# KiCad board PC110.kicad_pcb (continued)
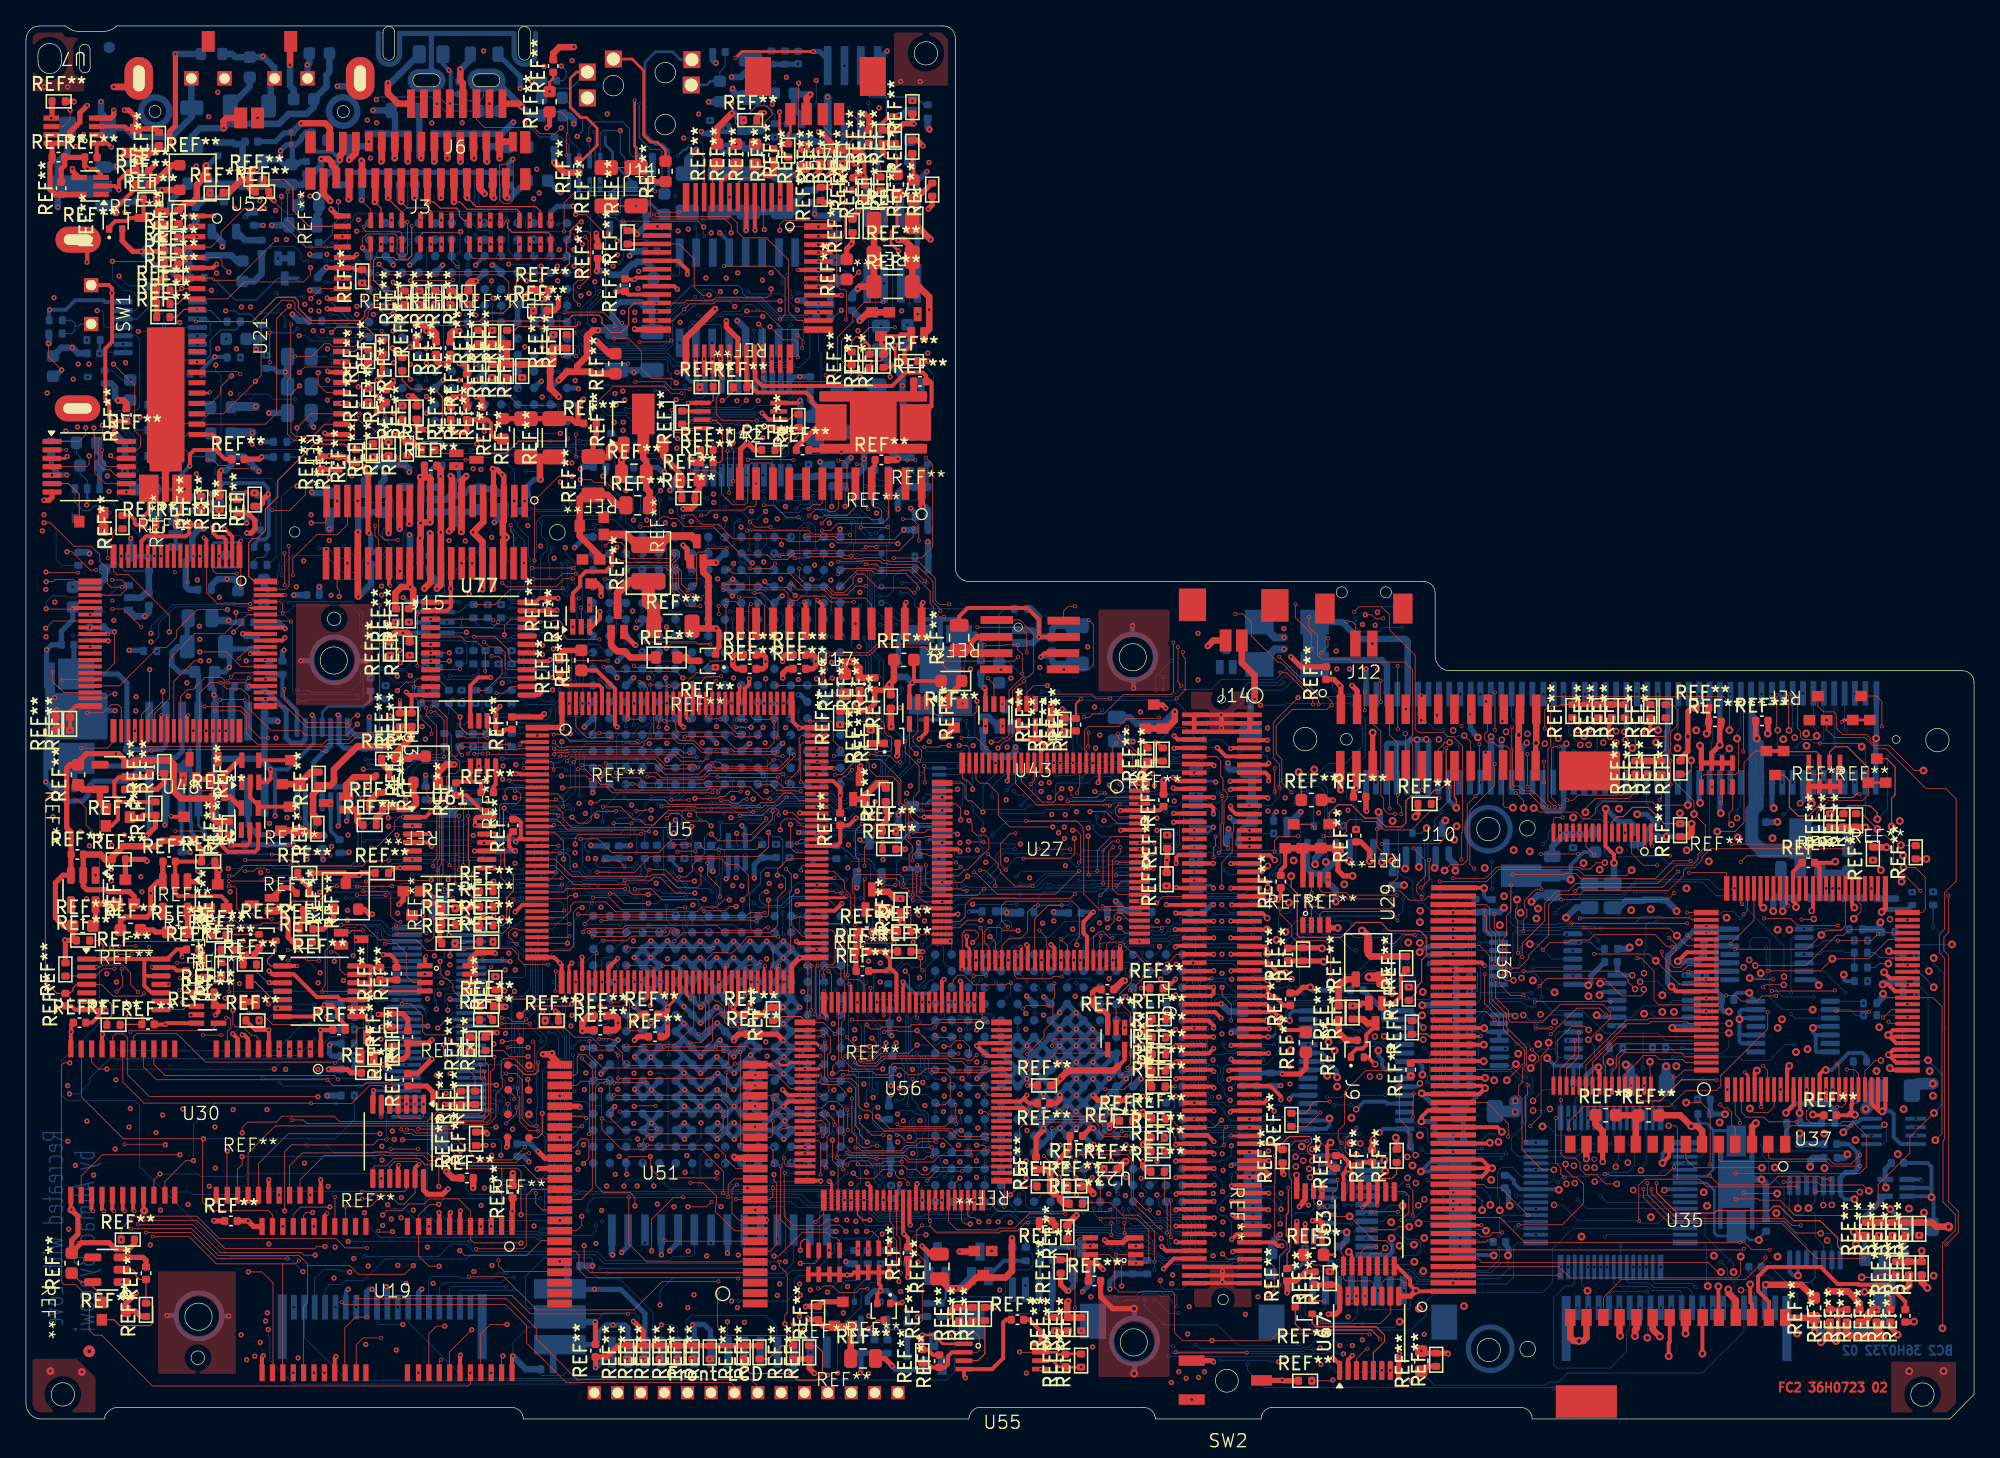
[diagram p0: board, top side]
## Routing (per net, layer and track width the routed paths; a pad name or vN(x,y) marks a point on that pad's centre or on a via; arc(x,y) is an arc through that point) (continued)
  IC2 w0.05: U50.3 47.37,3.53 46.23,4.67 39.37,4.67 37.87,3.17 21.32,3.17 19.08,5.41 16.89,5.41 15.19,7.11 15.19,15.61 13.5,17.3 12.61,17.3 9.59,20.32 9.59,36.28 v6(9.48,36.39)
M38_SEG3: length 103.4
  FC2 w0.05: v1(13.39,59.11) 15.44,59.11 16.56,57.99 U48.67
  IC4 w0.05: 8.18,46.74 8.18,39.1 10.72,36.56 10.72,33.05 11.27,32.5 11.27,23.17 11.1,23 11.1,15.77 11.28,15.59 11.28,5.06 12.89,3.45 48.79,3.45 49.17,3.07 U50.4 ; 8.18,46.74 8.18,46.55 ; 8.18,46.74 11.24,49.8 11.24,57.54 12.81,59.11 v1(13.39,59.11)
M38_SEG4: length 94
  FC2 w0.05: U48.66 16.08,57.49 v2(15.78,57.19) ; v2(14.6,38.3) 15.75,38.3 v2(15.76,38.29)
  FC1 w0.05: v1(17.63,4.84) 17.63,26.05 14.54,29.14 14.54,29.93 13.58,30.89 13.58,34.13 14.39,34.94 14.39,37.15 14.6,37.36 v2(14.6,38.3) ; v2(15.76,38.29) 15.76,38.97 16.21,39.42 16.21,56.76 v2(15.78,57.19)
  IC3 w0.05: U50.5 50.07,2.92 42.77,2.92 42.41,2.56 19.19,2.56 17.63,4.12 v1(17.63,4.84)
  IC4 w0.05: U50.5 50.96,2.02
M38_SEG5: length 84.9
  FC1 w0.05: v2(18.44,56.99) 18.91,56.52 18.91,53.42 19.26,53.07 v1(19.26,52.48)
  IC2 w0.05: v1(19.26,52.48) 20.06,52.48 21.63,50.91 21.63,43.88 21.99,43.52 23.47,43.52 24.36,42.63 24.36,37.78 23.42,36.84 23.42,33.16 23.98,32.6 23.98,14.65 24.41,14.22 24.41,9.33 28.02,5.72 51.19,5.72 52.77,4.14 U50.6
M38_SEG6: length 89.3
  FC2 w0.05: v2(24.32,8.99) 24.5,8.81 36.95,8.81 38.55,7.21 38.55,5.86 41.6,2.81 54.3,2.81 54.57,2.54 U50.7
  FC2 w0.3: v2(17.16,56.44) 17.21,56.49 U48.64
  FC1 w0.05: v2(17.16,56.44) 17.16,50.97 17.32,50.81 17.32,41.67 18.39,40.6 18.39,35.6 19.71,34.28 19.71,30.87 19.14,30.3 19.14,28.18 19.59,27.73 23.98,27.73 24.11,27.6 24.11,26.72 23.76,26.37 23.76,25.71 24.32,25.15 v2(24.32,8.99)
M38_SEG07: length 37.2
  FC2 w0.05: v1(16.18,62.15) 16.18,61.4 15.3,60.52 12.99,60.52 11.65,59.18 11.65,59.14 11.04,58.53 11.04,55.49 9.89,54.34 U48.47
  BC1 w0.05: v11(25.54,55.8) 25.54,59.11 v11(25.92,59.49)
  BC2 w0.05: v11(25.54,55.8) 20.83,55.8 20.55,56.08 20.55,61.3 19.93,61.92 17.3,61.92 17.07,62.15 v1(16.18,62.15) ; v11(25.92,59.49) 27.82,59.49 28.49,58.82 29.71,58.82 29.85,58.97 30.75,58.97 REF**#461.2
M38_SEG7: length 87.8
  FC2 w0.05: U50.8 56.37,2.5 55.85,3.02 42.47,3.02 39.3,6.19 39.3,6.97 37.01,9.26 25.63,9.26 25.51,9.38 v2(25.47,9.38)
  FC1 w0.05: v2(25.47,9.38) 25.47,11.53 24.89,12.11 24.89,13.03 25.33,13.47 25.33,13.98 24.95,14.36 24.95,16.87 24.81,17.01 24.81,25.34 24.51,25.64 24.51,27.62 24.15,27.98 20.31,27.98 20,28.29 20,28.69 20.6,29.29 20.6,38.77 19.53,39.84 19.53,45.19 19.72,45.38 19.72,46.59 17.99,48.32 17.99,55.54 v2(18.44,55.99)
M38_SEG8: length 92.4
  FC1 w0.05: v2(18.44,55.49) 18.44,54.91 18.32,54.79 18.32,49.63 19.62,48.33 19.62,47.34 20.11,46.85 v1(20.11,46.34)
  IC2 w0.05: v1(20.11,46.34) 20.2,46.25 20.2,43.8 23.14,40.86 23.14,38.92 20.96,36.74 v1(20.96,4.7)
  IC3 w0.05: v1(20.96,4.7) 22.95,2.71 42.09,2.71 42.1,2.72 42.15,2.72 42.54,3.11 57.08,3.11 U50.9
M38_SEG9: length 90.7
  FC2 w0.05: v1(25.55,54.23) 25.37,54.23 25.04,53.9 25.04,53.52 24.83,53.31 21.59,53.31 19.96,54.94 U48.61
  IC2 w0.05: v1(25.55,54.23) 27,52.78 27,39.94 26.25,39.19 26.25,33.52 24.71,31.98 24.71,15.87 28.06,12.52 37.82,12.52 44.32,6.02 58.36,6.02 59.97,4.41 U50.10
M38_VL1: length 18.8
  FC2 w0.08: U48.80 17.57,64.54 17.16,64.95 17.16,67.53 17.49,67.86 17.84,67.86 18.44,68.46 18.44,70.1 19.39,71.05 19.39,72.32 22.19,75.12 24.51,75.12 24.93,74.7 REF**#368.2 25.83,74.7 26.3,75.17 REF**#162.2
M38_VL2: length 20.3
  FC2 w0.05: v2(20.24,67.28) 20.26,67.26 20.26,64.2 20,63.94 U48.79 ; v2(26.72,74.15) 27.29,74.15 27.4,74.26 REF**#257.1
  FC1 w0.05: v2(20.24,67.28) 21.2,67.28 21.62,67.7 21.62,68.76 21.44,68.94 21.44,69.07 20.08,70.43 20.08,72.07 21.63,73.62 24.62,73.62 25.15,74.15 v2(26.72,74.15)
M38_VL3: length 21.7
  FC2 w0.05: v2(19.93,64.25) 19.93,66.69 v2(19.91,66.71)
  FC2 w0.3: v2(19.92,63.51) 19.9,63.49 U48.78
  FC1 w0.05: v2(29.34,74.26) 29.34,74.51 28.57,75.28 v2(27.93,75.28) 26.92,75.28 26.82,75.18 22.81,75.18 19.72,72.09 19.72,67.24 19.91,67.05 v2(19.91,66.71) ; v2(19.92,63.51) 19.93,63.52 v2(19.93,64.25)
M38_VREF: length 37.3
  FC2 w0.3: U48.72 17.3,60.49 17.27,60.52 v1(16.69,60.52)
  FC2 w0.4: v1(17.01,68.27) 17.33,68.27 17.64,68.58 17.64,69.25 17.07,69.82 REF**#50.1
  FC2 w0.5: v1(31.12,68.25) 31.16,68.21 J15.30 31.16,64.48 30.69,64.01 v1(30.69,63.99)
  IC1 w0.7: v1(17.01,68.27) 17.01,67.56 17.13,67.44 17.11,67.42 17.11,65.75 17.84,65.02 30.27,65.02 30.69,64.6 v1(30.69,63.99)
  IC4 w0.5: v1(17.01,68.27) 17.01,60.84 v1(16.69,60.52)
  BC2 w0.4: v1(16.69,60.52) 16.91,60.3 REF**#644.2
  BC2 w0.5: v1(31.12,68.25) 31.12,66.56 REF**#724.1
M38_Xin: length 21.9
  FC2 w0.05: v2(5.39,65.42) 4.95,65.42 3.54,66.83 v1(3.16,66.83)
  FC2 w0.3: v2(12.2,71.67) 12.06,71.67 REF**#69.1 12.01,69.98 11.61,69.58 REF**#294.1
  FC1 w0.05: v1(3.16,66.83) 3.15,66.84 3.15,66.87 ; v2(5.39,65.42) 5.39,61.13 5.25,60.99 v2(4.94,60.99)
  FC1 w0.3: v2(12.2,71.67) 10.17,71.67 8.96,70.46 6.84,70.46 3.25,66.87 3.15,66.87
M38_Xout: length 10.2
  FC2 w0.05: v2(6.3,66.33) 6.3,67.52 6.69,67.91 6.69,68.28 7.01,68.6 REF**#357.1
  FC2 w0.3: v2(6.31,60.47) 6.29,60.49 U48.29
  FC1 w0.05: v2(6.31,60.47) 6.3,60.48 v2(6.3,66.33)
M38_Xout_Res: length 5
  FC2 w0.3: REF**#69.2 9.46,69.95 9.03,69.52 REF**#107.1 8.47,68.91 8.38,69 8.38,69.3 8.06,69.62 REF**#357.2
MEMCS16#: length 72.8
  FC2 w0.05: 53.86,55.15 53.86,53.72 54.75,52.83 v2(55.32,52.83)
  FC1 w0.05: v2(55.32,52.83) 55.32,52.41 55.28,52.37 55.28,49.1 55.58,48.8 v1(55.58,48.25)
  BC1 w0.05: v11(61.87,46.38) 61.93,46.32 61.93,45.38 61.83,45.28 61.83,44.72 61.93,44.62 61.93,42.2 62.04,42.09 62.04,34.99 62.13,34.9 62.13,32.74 62.42,32.45 64.87,32.45 65.42,31.9 65.42,31.13 v11(64.74,30.45) ; v11(65.11,19.47) 65.11,20.1 65.43,20.42 65.43,22.32 66.08,22.97 66.08,24.3 66.01,24.37 66.01,25.89 65.03,26.87 v11(65.03,28.07) ; v11(65.76,17.93) 65.76,18.22 65.61,18.37 65.61,18.73 65.71,18.83 65.71,19.5 65.99,19.78 65.99,21.96 66.18,22.15 67.01,22.15 67.9,21.26 68.58,21.26 68.82,21.5 72.21,21.5 v11(72.63,21.08) ; v11(56.07,44.83) 56.06,44.83 55.82,45.07 55.82,46.77 55.58,47.01 v1(55.58,48.25) 55.58,50.27 55.25,50.6 55.25,52.12 v11(55.72,52.59)
  BC2 w0.05: v11(65.03,28.07) 64.59,28.51 64.59,30.3 v11(64.74,30.45) ; REF**#855.2 56.71,44.69 56.57,44.83 v11(56.07,44.83) 56.07,44.92 56.92,45.77 57.46,45.77 57.66,45.97 57.66,46.48 58.42,47.24 61.01,47.24 v11(61.87,46.38) ; v11(65.76,17.93) 65.35,18.34 65.35,19.23 v11(65.11,19.47) ; v11(72.63,21.08) 72.63,20.63 72.57,20.57 ; 53.83,52.72 54.25,52.72 54.89,53.36 55.26,53.36 55.72,52.9 v11(55.72,52.59)
MEMR#: length 203.1
  FC2 w0.05: v2(57.54,19.6) 57.54,20.7 57.34,20.9 U51.16
  FC1 w0.05: v1(58.5,12.12) 58.5,13.06 56.81,14.75 56.81,18.87 v2(57.54,19.6)
  IC4 w0.05: v1(82.33,48.35) 82.39,48.29 82.39,42.94 80.04,40.59 80.04,32.14 79.98,32.08 77.05,32.08 76.53,31.56 76.53,31.04 76.9,30.67 79.69,30.67 81.47,28.89 81.47,17.03 83.3,15.2 84.75,15.2 86.98,12.97 86.98,10.57 85.35,8.94 85.35,8.93 85.14,8.93 85.12,8.91 84.22,8.91 82.41,7.1 74.16,7.1 72.48,5.42 64.21,5.42 60.55,9.08 59.43,9.08 58.96,9.55 58.96,11.66 v1(58.5,12.12)
  BC1 w0.05: v11(37.9,41.27) 37.86,41.23 v11(37.86,39.88) ; v11(44.2,11.59) 44.2,12.12 43.64,12.68 37.81,12.68 37.05,13.44 37.05,16.49 37.88,17.32 v11(40.27,17.32)
  BC2 w0.05: U6.24 89.1,48.65 88.6,48.15 86.33,48.15 86.17,47.99 83.4,47.99 83.04,48.35 v1(82.33,48.35) ; 75.11,18.03 74.5,17.42 74.5,16.44 74.22,16.16 73.12,16.16 72.41,15.45 65.75,15.45 65.19,16.01 65.07,16.01 64.48,16.6 62.41,16.6 62.09,16.28 59.37,16.28 58.88,16.77 56.37,16.77 56.02,16.42 56.02,12.46 56.36,12.12 56.86,12.12 ; 56.86,12.12 v1(58.5,12.12) ; 56.86,12.12 56.84,12.12 56.84,11.72 56.71,11.59 v11(44.2,11.59) ; v11(37.86,39.88) 41.16,39.88 41.38,39.66 41.38,38.6 40.55,37.77 39.9,37.77 39.44,37.31 39.44,30.03 40.07,29.4 40.07,28.93 39.35,28.21 39.35,24.88 39.41,24.82 39.41,24.07 39.33,23.99 39.33,22.74 40.34,21.73 40.34,17.39 v11(40.27,17.32)
  BC2 w0.08: v11(37.9,41.27) 40.09,41.27 40.86,42.04 40.86,43.31 41.17,43.62 41.61,43.62 41.9,43.33 41.9,42.38 42.12,42.16 42.6,42.16 43.11,41.65 47.04,41.65 47.16,41.53 47.55,41.53 47.85,41.83 47.85,42.3 47.66,42.49 REF**#767.1
MEMR#_res: length 10.9
  BC1 w0.05: v11(50.66,52.36) 50.22,51.92 50.22,46.97 50.16,46.91 v11(50.16,46.67)
  BC2 w0.05: 50.02,52.72 50.49,52.72 50.66,52.55 v11(50.66,52.36)
  BC2 w0.08: REF**#767.2 47.66,45.14 49.19,46.67 v11(50.16,46.67)
MEMW#: length 96.7
  FC2 w0.05: v1(73.25,55.31) 73.25,54.53 72.96,54.24 70.13,54.24 69.89,54.48 69.89,55.02 69.65,55.26 REF**#185.1 ; v2(82.96,23.29) 80.58,23.29 80.21,23.66 v2(80.21,24.08) ; v2(76.21,45.13) 75.85,45.13 75.08,44.36 75.08,42.72 v2(75.5,42.3)
  FC1 w0.05: v2(76.21,45.13) 76.21,49.81 75.2,50.82 73.66,50.82 73.65,50.81 73.65,52.19 74.25,52.79 74.25,54.31 v1(73.25,55.31) ; v2(75.5,42.3) 75.5,39.6 75.09,39.19 75.09,34.93 74.87,34.71 74.87,33.17 75.68,32.36 76.61,32.36 77.7,31.27 77.7,30.72 78.02,30.4 78.62,30.4 80.09,28.93 80.09,24.51 80.21,24.39 v2(80.21,24.08) ; v1(83.59,19.92) 82.91,20.6 82.91,23.24 v2(82.96,23.29)
  BC1 w0.05: v11(76.61,20.5) 83.04,20.5 83.59,19.95 v1(83.59,19.92) ; v11(59.33,43.79) 59.33,43.15 58.78,42.6 53.88,42.6 53.64,42.84 52.52,42.84 51.85,43.51 50.3,43.51 49.5,42.71 v11(48.62,42.71) ; v11(65.63,45.69) 67.44,45.69 67.76,46.01 67.76,46.73 67.53,46.96 66.94,46.96 66.67,47.23 v11(66.67,47.59)
  BC2 w0.05: 76.38,20.57 76.45,20.5 v11(76.61,20.5) 76.42,20.5 76.38,20.54 ; REF**#769.1 48.62,43.17 v11(48.62,42.71) ; v1(73.25,55.31) 73.25,54.94 73.09,54.78 73.09,52.67 72.46,52.04 72.46,51.85 72.02,51.41 69.49,51.41 69.09,51.81 68.29,51.81 68.06,51.58 68.06,50.43 66.67,49.04 v11(66.67,47.59) ; v11(59.33,43.79) 61.55,43.79 61.82,44.06 61.82,45.09 62.08,45.35 64.3,45.35 64.44,45.49 65.43,45.49 v11(65.63,45.69)
OKI-SA8: length 32.4
  FC2 w0.05: v2(53.73,28.34) 53.69,28.38 v2(47.54,28.38)
  FC1 w0.05: v2(55.38,32.61) 55.1,32.33 54.19,32.33 53.93,32.07 53.93,28.54 v2(53.73,28.34) ; v2(41.12,12.15) 42.43,13.46 42.43,13.61 43.67,14.85 46.8,14.85 47.54,15.59 v2(47.54,28.38)
OKI_CE#: length 48.9
  FC2 w0.05: U51.14 54.68,19.3 53.89,20.09 53.89,20.29 53.08,21.1 v2(47.86,21.1) ; 42.36,55.15 42.36,53.35 43.19,52.52 v2(45.12,52.52) ; v2(47.81,25.92) 47.8,25.91 v2(45.31,25.91)
  FC1 w0.05: v2(45.12,52.52) 45.12,46.69 45.62,46.19 45.62,36.01 46.04,35.59 46.04,35.29 45.76,35.01 45.76,32.48 45.36,32.08 45.36,31.29 45.18,31.11 45.18,28.54 45.31,28.41 v2(45.31,25.91) ; v2(47.81,25.92) 47.81,25.66 47.72,25.57 47.72,21.49 47.86,21.35 v2(47.86,21.1)
OKI_SA12: length 44.9
  FC2 w0.05: v2(36.7,35.41) 36.69,35.4 v2(35.18,35.4) ; v2(37.23,49.19) 37.26,49.22 39.39,49.22
  FC1 w0.05: v2(37.23,49.19) 37.22,49.19 36.39,48.36 36.39,47.72 36.65,47.46 37.05,47.46 38.41,46.1 38.41,42.54 37.62,41.75 37.46,41.75 36.71,41 36.71,39.56 37.2,39.07 37.2,38.21 36.7,37.71 v2(36.7,35.41) ; v2(41.12,15.3) 41.12,15.76 40.6,16.28 38.75,16.28 37.94,17.09 37.94,22.54 37.68,22.8 37.47,22.8 36.94,23.33 36.1,23.33 34.7,24.73 34.7,27.65 34.98,27.93 34.98,30.99 35.31,31.32 35.31,34.69 35.18,34.82 v2(35.18,35.4)
OKI_SA13: length 40.1
  FC2 w0.05: U51.39 39.77,16.1 39.27,16.6 v2(39.27,17.39) ; v2(38.36,50.17) U5.7
  FC1 w0.05: v2(38.36,50.17) 38.36,50.12 38.79,49.69 38.79,38.71 38.37,38.29 38.37,32.73 37.82,32.18 37.82,25.98 37.56,25.72 36.98,25.72 36.29,25.03 36.29,23.66 36.44,23.51 37.16,23.51 37.68,22.99 37.8,22.99 38.16,22.63 38.16,18.18 38.95,17.39 v2(39.27,17.39)
OKI_SA14: length 40.4
  FC2 w0.05: U51.38 42.77,16.9 43.62,17.75 43.62,26.99 v2(42.83,27.78) ; v2(40.65,50.03) 40.65,50.47 40.45,50.67 U5.6
  FC1 w0.05: 39.71,32.34 39.71,37.31 40.38,37.98 40.38,49.76 v2(40.65,50.03) ; 39.71,32.34 39.71,31.89 39.37,31.55 39.37,31.13 39.52,30.98 39.52,30.16 39.57,30.11 39.57,28.97 39.84,28.7 41.91,28.7 v2(42.83,27.78) ; 39.71,32.34 39.71,32.32
OKI_SA15: length 55
  FC2 w0.05: v2(33.37,42.33) 33.35,42.35 v2(33.35,46.47) ; U51.37 39.01,17.7 38.53,17.22 38.53,13.36 38.28,13.11 v2(34.68,13.11) ; v2(35.58,51.28) 35.64,51.22 39.34,51.22 U5.5
  FC1 w0.05: v2(34.68,13.11) 34.68,16.75 34.11,17.32 34.11,21.66 33.96,21.81 33.96,30.1 34.1,30.24 34.1,32.34 34.66,32.9 34.66,33.85 34.1,34.41 34.1,38.04 34.48,38.42 34.48,38.85 33.8,39.53 33.8,41.9 v2(33.37,42.33) ; v2(33.35,46.47) 35.05,48.17 35.05,49.38 35.58,49.91 v2(35.58,51.28)
OKI_SA16: length 46.5
  FC2 w0.05: v2(33.49,47.37) 33.49,47.13 33.05,46.69 v2(33.05,41.27) ; v2(34.05,51.27) 34.35,51.57 37.81,51.57 37.92,51.68 U5.4 ; U51.36 39.39,18.5 38.36,19.53 33.45,19.53 v2(32.97,20.01)
  FC1 w0.05: v2(34.05,51.27) 34.05,49.13 33.49,48.57 v2(33.49,47.37) ; v2(33.05,41.27) 33.05,40.59 33.67,39.97 33.67,38.94 33.56,38.83 33.56,34.61 33.28,34.33 33.28,21.57 32.97,21.26 v2(32.97,20.01)
OKI_SA17: length 57.2
  FC2 w0.05: v2(46.43,17.1) 46.43,13.49 47.82,12.1 U51.5 ; v2(39.46,22.21) 38.74,22.21 38.04,22.91 38.04,24.75 37.87,24.92 v2(37.87,25.48)
  FC2 w0.2: U5.3 38.21,52.17 v2(38.05,52.01)
  FC1 w0.05: v2(38.05,52.01) 38.97,51.09 38.97,38.6 38.55,38.18 38.55,32.62 38.02,32.09 38.02,25.96 37.89,25.83 37.89,25.5 v2(37.87,25.48) ; v2(46.43,17.1) 43.09,17.1 39.89,20.3 39.89,22.18 39.86,22.21 v2(39.46,22.21)
OKI_SA18: length 64.7
  FC2 w0.05: v2(37.67,48.39) 37.89,48.39 38.11,48.17 38.11,47.73 37.82,47.44 36.67,47.44 36.49,47.26 36.49,43.89 36.58,43.8 36.58,41.73 v2(37.2,41.11) ; U51.4 43.44,11.3 43,11.74 43,11.78 42.99,11.79 v1(42.99,13.36)
  FC1 w0.05: v2(37.67,48.39) 37.67,49.2 37.14,49.73 36.62,49.73 36.28,50.07 36.28,52.12 36.83,52.67 v2(39.39,52.67) ; v2(37.2,41.11) 37.2,39.88 37.36,39.72 37.93,39.72 38.2,39.45 38.2,38.87 37.22,37.89 37.22,35.92 v1(37.19,35.89)
  IC4 w0.05: v1(42.99,13.36) 41.79,13.36 40.91,14.25 40.91,28.8 40.9,28.8 40.9,28.87 38.23,31.54 38.23,35.73 38.07,35.89 v1(37.19,35.89)
OKI_SA19: length 58.7
  FC2 w0.05: 41.12,11.35 36.84,11.35 36.39,11.8 v2(36.39,12.22) ; v2(35.17,51.28) 35.15,51.26 v2(34.53,51.26) ; v2(33.8,47.62) 33.8,47 33.69,46.89 33.69,42.69 v2(33.68,42.68)
  FC1 w0.05: v2(33.68,42.68) 34.07,42.29 34.07,39.63 34.64,39.06 34.64,38.19 34.31,37.86 34.31,34.56 34.85,34.02 34.85,32.7 34.31,32.16 34.31,30.05 34.21,29.95 34.21,23.67 34.94,22.94 36.43,22.94 36.68,22.69 36.68,22.12 37.49,21.31 37.49,19.94 36.39,18.84 v2(36.39,12.22) ; v2(35.17,51.28) 35.17,51.64 35.06,51.75 35.06,53.12 36.18,54.24 37.89,54.24 38.86,55.21 41.8,55.21 v2(41.86,55.15) ; v2(33.8,47.62) 33.8,48.24 34.53,48.97 v2(34.53,51.26)
PNET1: length 761.6
  FC2 w0.05: v2(40.81,47.75) 40.73,47.67 39.39,47.67 ; v1(51.52,40.52) 50.04,40.52 48.86,41.7 48.36,41.7 48.18,41.52 46.13,41.52 v2(46.11,41.5) ; v2(46.09,42.57) 45.65,43.01 44.49,43.01 v2(44.46,43.04) ; v1(97.89,15.22) 97.88,15.21
  FC2 w0.08: 24.05,73.18 REF**#40.1 ; 22.79,73.18 REF**#115.1 ; 67,43.91 REF**#41.2 ; 107.64,5.07 v2(107.47,5.24) ; 96.8,2.94 v1(96.75,2.99) 96.73,2.97 ; 34.45,17.8 v1(34.43,17.78) ; v1(65.96,37.56) 65.97,37.57 ; 65.25,37.56 REF**#14.2
  FC2 w0.2: v1(49.42,31.74) 49.86,32.18 U5.54 ; v3(101.89,12.88) 102.14,12.63 U53.2 ; 28.06,31.17 REF**#240.2 ; 39.39,45.67 40.56,45.67 v2(40.67,45.78)
  FC2 w0.3: U53.13 102.14,19 v3(101.86,19.28) ; v1(82.22,39.08) 81.45,38.31 81.45,37.44 81.72,37.17 U27.70 ; 14.79,74.67 14.79,75.48 14.41,75.86 U21.20 ; 14.79,74.67 12.96,74.67 12.62,74.33 v1(12.62,73.45) ; 14.79,74.67 14.79,74.51 15.33,73.97 REF**#336.1 ; REF**#247.1 103.03,19.79 102.86,19.62 102.2,19.62 v3(101.86,19.28) ; REF**#72.1 17.67,29.98 v1(18.7,29.98) 18.71,29.98 U30.6 ; 32.72,62.94 v1(32.72,64) 32.72,65.9 J15.28 ; 32.72,62.94 32.72,62.58 32.43,62.29 U77.2 ; 32.72,62.94 32.72,62.94 31.18,62.94 ; REF**#266.1 36.2,75.51 35.81,75.9 35.81,76.76 35.56,77.01 REF**#446.1 ; 50.36,55.15 50.36,53.6 v1(50.65,53.31) ; v1(68.12,14.95) 68.05,15.02 U56.64 ; U53.14 101.49,18.91 v3(101.86,19.28) ; 66.55,34.78 66.55,35.45 v1(65.96,36.04) 67.12,36.04 REF**#304.1 ; 66.55,34.78 67.05,34.28 U56.14 ; 66.55,34.78 66.29,34.52 REF**#269.2 ; v3(101.86,19.28) 101.86,19.81 101.38,20.29 REF**#129.2 ; REF**#233.5 42.12,63.62 42.67,64.17 42.67,64.86 43.12,65.31 44.67,65.31 45.15,65.79 45.15,66.81 v1(45.51,67.17) ; U30.1 22.71,29.96 v1(22.68,29.98) REF**#67.1 ; 84.13,27.19 84.62,27.68 REF**#263.5 ; U5.18 39.37,44.68 38.28,44.68 38.24,44.72 38.12,44.72 ; U21.1 14.44,92.71 v1(14.46,92.73) ; REF**#78.1 3.49,30.38 v1(3.49,29.84) 3.46,29.81 3.46,28.52 ; v1(58.34,24.08) 58.72,24.46 U56.38 ; U21.6 14.4,88.71 v1(14.68,88.99) ; v1(33.47,16.04) 33.44,16.01 U19.6 ; REF**#326.2 77.23,24.33 76.86,24.71 ; 76.86,24.71 76.61,24.46 U56.88 ; 76.86,24.71 v1(77.09,24.94) ; v1(36.5,54.91) 36.18,54.59 U3.1 36.18,53.1 36.32,52.96 36.78,52.96 36.96,53.14 REF**#219.1 ; v1(102.17,4.89) 101.83,4.56 U67.2 ; U5.90 62.47,44.17 62.72,44.42 REF**#92.1 63.37,45.74 v1(63.95,46.32) ; U56.95 74.18,27.96 74.14,28 74,28 v1(73.24,28.76) 73.44,28.96 U56.97 ; U56.7 70.55,33.72 v1(70.7,33.87) ; v1(30.62,39.8) 30.69,39.73 31.6,39.73 31.98,39.35 ; v1(37.72,44.48) 37.96,44.72 38.12,44.72 ; 38.12,44.72 38.12,45.98 37.88,46.22 REF**#348.2 ; U5.37 41.26,34.99 v1(41.12,35.13) 40.68,35.57 U5.36 ; REF**#22.2 28.54,35.29 28.05,35.78 v1(27.52,35.78)
  FC2 w0.4: U5.73 60.89,35.55 v1(59.61,35.55) 58.96,34.9 U5.72 ; 97.88,15.21 REF**#320.5 ; v3(103.5,43) 103.5,43.78 102.81,44.47 REF**#202.1 ; v1(82.97,11.52) 82.48,12.01 U22.8 81.82,11.85 REF**#183.1 ; U19.1 37.44,15.96 v1(37.48,16) 37.48,17.02 REF**#297.1 ; REF**#240.2 29.03,31.22 29.41,30.84 REF**#246.2 ; REF**#242.1 32.68,81.55 32.46,81.33 v1(32.11,81.33) 31.79,81.33 31.59,81.53 REF**#6.1 ; v1(67.94,10.91) 67.95,10.92 REF**#114.1 ; REF**#401.2 33.96,81.12 33.75,81.33 v1(33.38,81.33) ; v1(38.47,86.38) 38.47,86.57 38.9,87 REF**#327.1 ; v1(27.14,31.17) 28.06,31.17 ; v1(31.27,27.73) 30.15,26.61 REF**#71.2 ; REF**#212.1 30.08,82.81 29.87,82.6 v1(29.56,82.6) ; 31.98,39.35 REF**#345.1 REF**#281.1 31.86,37.93 31.86,36.82 REF**#55.1 ; v1(91.47,4.4) 91.38,4.5 SW2.2 ; v1(86.02,19.87) 86.02,19.45 86.43,19.04 REF**#136.1 ; 107.64,5.07 REF**#95.2 109.49,5.07 v1(109.55,5.01) ; v1(43.95,88.45) 44.04,88.54 REF**#354.1 ; REF**#232.2 26.06,39.28 26.44,38.9 v1(26.68,38.9) ; REF**#446.1 REF**#382.1 33.96,76.25 33.74,76.03 v1(33.4,76.03) 33.06,76.03 32.72,76.37 REF**#437.1 ; 24.05,73.18 v1(23.36,73.18) 22.79,73.18 ; v1(28.29,80.03) 28.29,79.86 REF**#180.2 ; REF**#277.2 35.41,22.1 v1(35.54,21.97) ; v1(99.1,15.28) 99.65,15.28 99.83,15.1 REF**#320.8 ; REF**#38.2 49.27,29.46 49.42,29.61 v1(49.42,30.48) ; v1(67.75,43.91) 67,43.91 ; REF**#102.2 56.72,31.2 57.23,31.71 REF**#284.2 57.56,31.73 v1(58.32,31.73) ; REF**#30.1 25.04,26.67 24.77,26.94 v1(23.31,26.94) ; U5.1 39.41,53.29 41.25,53.29 v1(41.29,53.25) 41.29,55.12 41.26,55.15 ; v1(79.65,19.87) 79.65,20.06 79.94,20.35 79.94,20.37 80.39,20.82 80.39,21.77 REF**#57.2 ; U19.22 17.54,14.84 v1(17.1,15.27) 17.09,15.26 REF**#206.2 ; REF**#43.2 49.15,31.17 49.42,31.44 v1(49.42,31.74) ; 96.8,2.94 REF**#21.1 ; v1(58.34,29.17) 57.86,29.65 REF**#17.2 ; v1(28.42,52.59) 28.82,52.99 28.82,53.35 REF**#423.1 ; v1(100.31,8.08) 100.91,8.08 101.19,8.36 U67.16 101.19,10.08 100.92,10.34 REF**#274.1 99.3,10.34 REF**#303.1 ; 65.97,37.57 REF**#211.1 ; v1(65.96,37.56) 65.25,37.56 ; REF**#79.2 v1(65.96,36.04) ; 96.73,2.97 SW2.1
  FC2 w0.5: v1(79.67,26.23) 80.14,26.7 ; 80.14,26.7 79.14,25.7 REF**.2 ; 80.14,26.7 80.29,26.85 83.78,26.85 84.12,27.19 84.13,27.19 ; v1(36.93,31.76) 36.05,31.76 REF**#349.2 ; REF**#360.2 78.05,14.76 v1(78.26,14.55) ; REF**#113.2 14.56,42.95 14.56,42.62 v1(14.89,42.29) 14.77,42.17 REF**#88.2 ; REF**#111.2 45.38,31.05 45.59,30.84 v1(45.59,30.5) 45.59,30.19 45.37,29.97 REF**#378.2 ; v1(32.71,72.67) 32.81,72.57 J15.8 32.81,68.63 v1(32.58,68.4) ; REF**#109.2 22.45,46.25 22.1,46.6 22.1,48.15 22.54,48.59 REF**#234.1 23.45,48.83 23.73,49.11 23.73,49.4 23.72,49.41 23.72,50.04 25.09,51.41 25.1,51.41 25.54,51.85 27.68,51.85 v1(28.42,52.59) ; REF**#23.2 29.56,60.37 29.36,60.57 v1(29.05,60.57) 28.42,60.57 28.03,60.18 REF**#448.2 ; REF**#343.2 34.45,17.8 ; REF**#250.1 78.59,19.23 78.9,18.92 REF**#120.2 78.9,17.59 79.17,17.32 v1(79.65,17.32) 79.65,16.89 79.95,16.59 REF**#134.1
  FC1 w0.05: v2(40.81,47.75) 41.2,48.14 42.6,48.14 43.09,47.65 v1(43.09,46.66) ; v2(46.11,41.5) 46.11,42.55 v2(46.09,42.57) ; v2(40.67,45.78) 40.67,46.99 41.19,47.51 41.51,47.51 41.69,47.33 41.69,46.92 41.56,46.79 41.56,45.94 42.08,45.42 43.62,45.42 44.46,44.58 v2(44.46,43.04) ; v2(107.47,5.24) 107.11,5.59 105.44,5.59 104.44,4.59 v2(104.44,3.74)
  FC1 w0.5: v3(136.49,11.05) 136.49,12.15 137.1,12.76 139.05,12.76 139.88,13.59 139.88,17.26 139.49,17.65 139.49,20.97 139.98,21.46 v3(139.98,22.09)
  IC1 w0.5: v3(127.14,39.13) 127.05,39.13 125.33,37.41 109.77,37.41 108.55,38.63 108.55,39.27 107.65,40.17 101.19,40.17 v3(100.89,39.87)
  IC2 w0.05: v1(59.49,56.98) 59.49,57.38 59.78,57.67 59.78,70.19 56.01,73.96 51.69,73.96 51.32,74.34 51,74.34 50.59,73.92 47.68,73.92 ; v1(43.09,46.66) 43.09,50.08 44.06,51.05 44.06,58.82 45.48,60.24 47.23,60.24 47.52,60.53 49.61,60.53 49.84,60.76 49.84,64.26 48.75,65.35 48.75,70.5 47.68,71.57 47.68,73.92 ; v1(43.75,84.67) 44.44,84.67 47.68,81.43 47.68,73.92 ; v1(60.74,65.8) 61.42,65.12 61.42,56.66 60.95,56.19 58.29,56.19 57.42,57.06 57.42,57.32 57.24,57.5 54.41,57.5 53.85,56.94 53.85,47.38 53.58,47.11 53.58,44.7 53.9,44.38 53.9,42.29 52.13,40.52 v1(51.52,40.52)
  IC2 w0.5: v1(41.12,35.13) 41.12,33.95 38.93,31.76 v1(36.93,31.76)
  IC2 w0.6: v5(104.26,22.09) 103.91,22.44 101.13,22.44 v3(100.41,23.16) 99.25,24.32 99.25,29.84 99.92,30.51 99.92,33.84 98.33,35.43 98.33,40.44 100.12,42.23 v3(100.12,42.93)
  IC2 w0.8: v3(103.5,43) 103.5,42.72 104.13,42.09 105.92,42.09 v3(106.24,42.41) 106.24,42.39 106.89,41.74 107.77,41.74 108.47,42.44 108.47,42.47
  IC3 w0.05: v1(45.97,79.2) 46.82,79.2 46.97,79.05 50.93,79.05 51.81,79.93 57.09,79.93 60.35,76.67 60.35,67.13 60.74,66.74 v1(60.74,65.8)
  IC4 w0.5: v1(21.87,86.98) 21.87,87.8 21.11,88.56 21.11,89 v1(21.86,89.75)
  IC4 w0.6: v3(103.5,43) 103.5,43.89 103.1,44.29 100.66,44.29 100.12,43.75 v3(100.12,42.93)
  IC4 w0.7: v3(127.14,39.13) 126.51,38.5 126.51,37.71 123.72,34.92 v5(123.72,34.19)
  BC1 w0.05: v11(62.08,60.27) 62.07,60.26 62.07,59.75 61.66,59.34 60.51,59.34 59.89,58.72 59.89,57.38 v1(59.49,56.98) ; v11(42.21,40.84) 42.21,41.68 41.87,42.02 41.87,43.26 41.46,43.67 41.46,44.21 41.66,44.41 41.66,44.8 43.09,46.23 v1(43.09,46.66) ; v1(60.74,65.8) 61.23,65.31 62.46,65.31 63.72,64.05 63.72,63.49 64.04,63.17 64.33,63.17 64.62,62.88 64.62,62.6 64.35,62.33 63.48,62.33 63.25,62.56 61.83,62.56 v11(61.45,62.18) ; v11(36.57,83.81) 36.57,82.39 37.16,81.8 40.45,81.8 40.6,81.65 42.55,81.65 44.19,80.01 45.16,80.01 v1(45.97,79.2) ; v1(43.75,84.67) 43.16,84.67 42.89,84.4 37.37,84.4 v11(36.6,85.17) ; v11(50.88,38.17) 50.87,38.17 50.58,38.46 50.58,40.41 50.69,40.52 v1(51.52,40.52)
  BC1 w0.4: v1(17,69.04) 17.56,69.04 17.64,68.96 17.64,66.68 17.53,66.57 17.53,63.63 v12(18.33,62.83)
  BC2 w0.05: v1(30.86,77.5) 30.86,77.52 ; 61.45,60.34 62.01,60.34 v11(62.08,60.27) ; 51.32,37.49 50.88,37.93 v11(50.88,38.17) ; v11(61.45,62.18) 61.44,62.17 61.44,61.64 ; v11(36.57,83.81) 36.6,83.84 36.6,84.53 ; v11(36.6,85.17) 36.6,85.8 ; v1(28.29,83.85) 28.3,83.85 ; v1(33.38,81.33) 33.45,81.33 ; v11(42.21,40.84) 43.02,40.84 43.32,40.54 47.28,40.54 47.51,40.31 47.51,38.76
  BC2 w0.08: 66.59,21.65 v1(66.52,21.72) ; v1(29.05,60.57) 29.07,60.59 ; 122.57,34.23 U41.14 ; v1(23.13,31) 23.15,30.98
  BC2 w0.2: J2.21 31.21,27.79 v1(31.27,27.73) ; J2.14 29.25,31.25 27.22,31.25 v1(27.14,31.17)
  BC2 w0.3: REF**#795.6 REF**#795.5 29.07,60.59 ; REF**#853.16 100.13,22.35 100.41,22.63 v3(100.41,23.16) 100.25,23 REF**#853.17 ; REF**#520.1 81.34,39.08 v1(82.22,39.08) ; v1(58.26,63.43) 58.19,63.43 57.64,62.88 ; v1(45.51,67.17) 45.42,67.17 U2.B2 ; J2.5 27.53,35.79 v1(27.52,35.78) ; REF**#482.2 12.4,71.05 12.02,71.43 12.02,71.73 ; 24.24,29.98 REF**#639.2 ; 12.02,71.73 11.91,71.62 REF**#557.1 ; 12.02,71.73 12.02,72.85 v1(12.62,73.45) ; v5(104.26,22.09) 104.52,22.35 REF**#853.15 106.64,21.89 106.64,20.98 ; REF**#859.14 135.85,11.3 136.1,11.05 v3(136.49,11.05) 136.49,12.25 REF**#859.13 ; v3(139.98,22.09) 140.75,22.86 140.97,22.86 141.02,22.91 141.14,22.91 141.37,23.14 REF**#823.8 ; REF**#795.7 30.58,62.99 29.38,62.99 v1(29.05,63.31) ; 113.91,18.78 114.2,18.78 114.62,18.36 114.62,18.15 115.07,17.7 118.03,17.7 v3(118.07,17.66) ; v5(123.72,34.19) 122.57,34.19 U41.14 ; 65.43,77.1 REF**#529.2
  BC2 w0.4: v1(58.44,22.97) 57.89,23.52 U1.M13 ; v1(58.44,22.97) 57.72,22.25 U1.M14 ; v1(58.44,22.97) 58.94,23.47 U1.N13 58.38,24.08 v1(58.34,24.08) ; v1(58.44,22.97) 58.44,22.75 U1.N14 58.94,22.13 v1(58.36,21.55) 58.36,21.56 U1.M14 ; U1.M14 U1.L14 ; v1(58.34,24.08) 58.34,24.19 U1.N12 ; v1(58.34,24.08) 58.34,24.12 U1.M12 ; v1(58.34,24.08) 58.23,24.08 U1.M13 ; v1(26.45,54.1) 26.44,54.09 26.44,52.65 ; U1.J14 v1(54.56,21.55) 54.56,21.68 U1.K14 ; U1.J14 54.43,22.82 v1(54.56,22.82) U1.K14 ; U1.J14 53.86,22.18 v1(53.25,21.57) 53.25,21.59 U1.H14 52.7,22.25 v1(53.27,22.82) 53.84,22.25 U1.J14 ; U1.D4 U1.E5 U1.D6 47.49,32.41 v1(46.85,31.77) 46.88,31.77 U1.D7 47.51,31.13 v1(48.14,30.5) ; U1.D4 46.9,35.56 v1(46.85,35.56) U1.D3 ; U1.D4 48.12,35.56 v1(48.13,35.56) ; REF**#735.2 66.59,21.19 66.52,21.26 v1(66.52,21.72) ; U1.E12 48.2,25.37 v1(48.18,25.37) ; U1.N11 58.39,26.61 v1(58.36,26.61) ; U1.K14 U1.L14 ; v1(48.14,30.5) 48.15,30.5 U1.E8 48.81,29.87 v1(49.42,30.48) 49.42,30.5 U1.E7 ; v1(48.14,30.5) U1.D8 ; v1(48.14,30.5) U1.E7 ; v1(58.37,27.9) U1.M9 58.24,29.17 v1(58.34,29.17) ; v1(58.37,27.9) 58.94,28.47 U1.N9 58.37,29.17 v1(58.34,29.17) ; v1(58.37,27.9) U1.N10 58.94,27.19 v1(58.36,26.61) ; v1(58.37,27.9) 58.24,27.9 U1.M10 57.67,27.3 v1(58.36,26.61) ; v1(48.18,25.37) 47.6,24.79 U1.D12 46.9,25.4 v1(46.88,25.4) 47.51,26.03 U1.D11 48.18,25.39 v1(48.18,25.37) ; v1(48.18,25.37) 48.18,25.46 U1.E11 ; v1(48.13,35.56) 48.17,35.56 U1.E4 U1.D5 U1.E6 48.78,32.38 v1(49.42,31.74) 49.38,31.74 U1.E7 ; v1(48.13,35.56) 48.78,36.21 U1.E3 ; v1(48.13,35.56) 47.51,36.18 U1.D3 ; REF**#718.1 REF**#483.1 46.52,43.2 v1(46.54,43.18) ; v1(22.68,29.98) 24.24,29.98 ; U1.M13 U1.L14 ; U1.N7 58.94,31.05 v1(58.34,30.45) ; U1.N7 58.35,31.73 v1(58.32,31.73) ; U1.N7 59.52,31.72 v1(59.6,31.72) 58.94,32.38 U1.N6 ; 33.45,81.33 U23.G10 ; v1(17,69.04) 17,69.37 REF**#452.5 ; v1(58.34,29.17) 57.67,29.84 U1.M8 58.25,30.45 v1(58.34,30.45) ; v1(58.34,29.17) 58.94,29.77 U1.N8 58.36,30.45 v1(58.34,30.45) ; v1(58.34,35.52) 57.67,36.19 U1.M3 ; v1(58.34,35.52) 58.37,35.52 U1.N4 ; v1(58.34,35.52) 58.24,35.52 U1.M4 U1.N5 U1.M6 ; v1(58.34,35.52) 58.94,36.12 U1.N3 ; v3(114.15,12.6) 114.21,12.66 114.21,13.17 113.98,13.4 113.98,13.64 ; U1.M6 57.67,32.38 v1(58.32,31.73) ; U1.M6 57.06,31.8 57.06,31.74 57.07,31.74 U1.M7 ; 50.69,36.78 50.61,36.78 U1.F3 49.43,36.84 v1(49.41,36.84) 48.79,36.22 U1.E3 ; v1(48.18,22.81) 48.07,22.81 U1.D14 47.53,22.25 v1(48.18,21.6) 48.78,22.2 U1.E14 48.22,22.81 v1(48.18,22.81) ; v1(48.18,22.81) 48.18,22.92 U1.E13 ; v1(48.18,22.81) 48.18,22.85 U1.D13 ; 44.94,57.8 45.52,57.22 v1(45.52,57.12) ; v1(58.34,30.45) 57.67,31.12 U1.M7 ; 23.15,30.98 REF**#527.2 ; U1.D3 v1(48.13,36.84) 48.16,36.84 U1.E3 ; 44.94,50.18 44.32,49.56 v1(44.25,49.56) ; U1.M7 58.26,31.73 v1(58.32,31.73) ; U1.M7 57.67,31.45 57.68,31.46 ; v1(37.72,44.48) 37.47,44.73 REF**#580.2 ; U23.B11 v1(28.29,80.03) ; 78.92,32 v1(78.4,32.52) ; v1(48.14,27.89) 48.14,27.97 U1.D9 47.51,28.54 v1(46.88,27.91) 47.46,27.33 U1.D10 48.07,27.89 v1(48.14,27.89) ; v1(48.14,27.89) 48.14,27.96 U1.E9 ; v1(48.14,27.89) 48.22,27.89 U1.E10 ; U1.M3 57.08,36.81 v1(57.05,36.81) 56.46,36.22 U1.L3 55.81,36.81 v1(55.78,36.81) 55.19,36.22 U1.K3 54.54,36.81 v1(54.5,36.81) 53.91,36.22 U1.J3 53.27,36.81 v1(53.23,36.81) 52.64,36.22 U1.H3 51.99,36.82 v1(51.94,36.82) 51.34,36.22 U1.G3 50.7,36.84 v1(50.69,36.84) ; U1.M3 57.74,36.22 58.3,36.78 58.35,36.78 ; v1(58.32,31.73) 58.94,32.35 U1.N6 ; 58.92,72.61 U26.1 ; v1(43,53.32) 43.67,53.99 ; U1.N6 U1.M5 U1.N4 ; v1(29.56,82.6) 29.56,82.67 30.25,83.36 ; U1.N4 59.54,35.55 v1(59.61,35.55) 59.59,35.55 58.94,36.2 U1.N3 ; REF**#556.2 122.57,34.23 ; U1.N3 58.35,36.81 v1(58.35,36.82) ; 28.3,83.85 U23.C7 ; v1(58.36,26.61) 58.22,26.61 U1.M11 ; v1(44.43,72.66) 44.67,72.9 REF**#725.1 ; v1(73.24,28.76) 73.81,28.19 73.84,28.19 ; U23.M1 40.41,92.95 40.92,93.46 v1(42.15,93.46) ; 26.44,52.65 REF**#742.2 28.36,52.65 v1(28.42,52.59) ; 26.44,52.65 REF**#614.2 25.41,52.65 U9.14 ; v1(79.65,19.87) 79.62,19.87 78.92,20.57 ; v1(21.86,89.75) 21.96,89.65 REF**#694.2 ; v1(30.78,49.61) REF**#578.2 ; v1(91.47,39.63) 91.3,39.63 REF**#538.1 ; 30.86,77.52 U23.E12 ; U23.K7 U23.K6 37.89,85.8 v1(38.47,86.38) ; v1(32.1,88.92) U23.E4 ; v1(50.72,21.57) 50.72,21.58 U1.F14 50.15,22.25 v1(50.72,22.82) 51.29,22.25 U1.G14 50.72,21.65 v1(50.72,21.57) ; 54.97,64.18 v1(54.44,64.71) 53.91,64.18 53.82,64.18 54.42,63.58 v1(54.42,63.43) 54.42,63.52 55.09,64.18 54.97,64.18
  BC2 w0.5: v3(127.14,39.13) 127.14,39.18 126.35,39.97 126.04,39.97 126,40.01 124.68,40.01 124.6,39.93 123.24,39.93 122.71,39.4 REF**#571.1 ; REF**#562.1 REF**#628.1 69.49,67.56 v1(69.46,67.59) ; v3(108.5,42.47) 108.59,42.56 REF**#843.2 ; 100.12,42.87 100.13,42.87 100.42,42.58 ; REF**#479.2 48.33,88.6 47.75,89.18 47.08,89.18 46.89,88.99 46.67,88.99 46.13,88.45 REF**#661.2 45.02,88.18 44.75,88.45 v1(43.95,88.45) ; v1(49.6,71.56) 49.85,71.81 REF**#582.1 ; 65.43,77.1 REF**#662.2 64.99,76.15 64.55,75.71 v1(64.55,74) 64.55,73.33 63.9,72.68 60.86,72.68 60.78,72.6 60.77,72.61 REF**#504.1 58.92,72.61 ; v3(106.24,42.41) 106.3,42.47 REF**#802.2 ; 99.95,41.68 100.89,40.74 v3(100.89,39.87) ; 99.95,41.68 99.95,42.11 100.97,43.12 REF**#630.2 ; 99.95,41.68 99.6,42.03 99.09,42.03 98.65,42.47 98.65,43.73 98.69,43.77 REF**#833.2 ; v1(23.31,26.94) REF**#548.2 ; REF**#842.1 44.96,91.44 v1(44.88,91.36) ; v1(29.54,68.13) 29.58,68.09 REF**#678.1 ; REF**#706.2 103.78,43.78 103.5,43.5 v3(103.5,43) ; REF**#496.2 v1(21.87,86.98)
